# KiCad board panel_170725.kicad_pcb
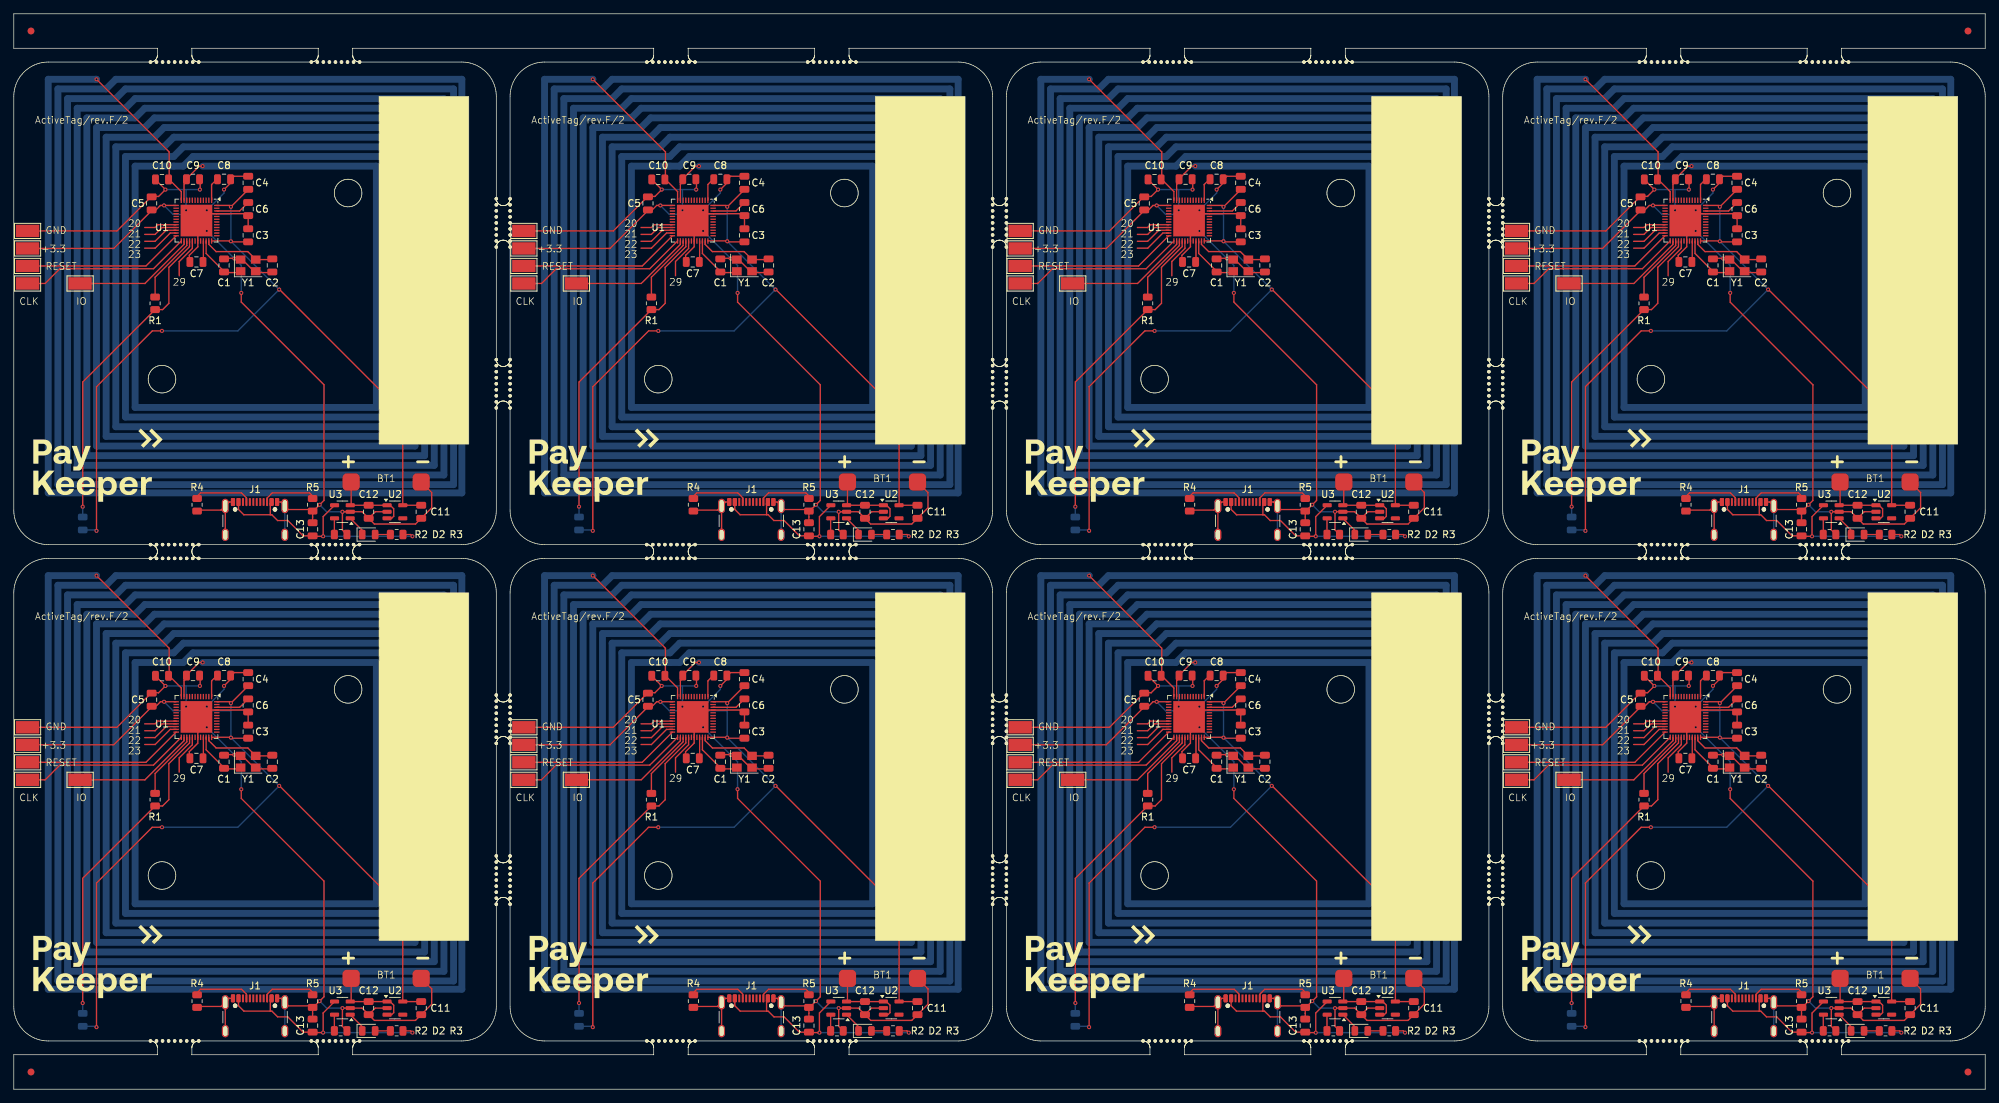
[diagram p0: board, top side]
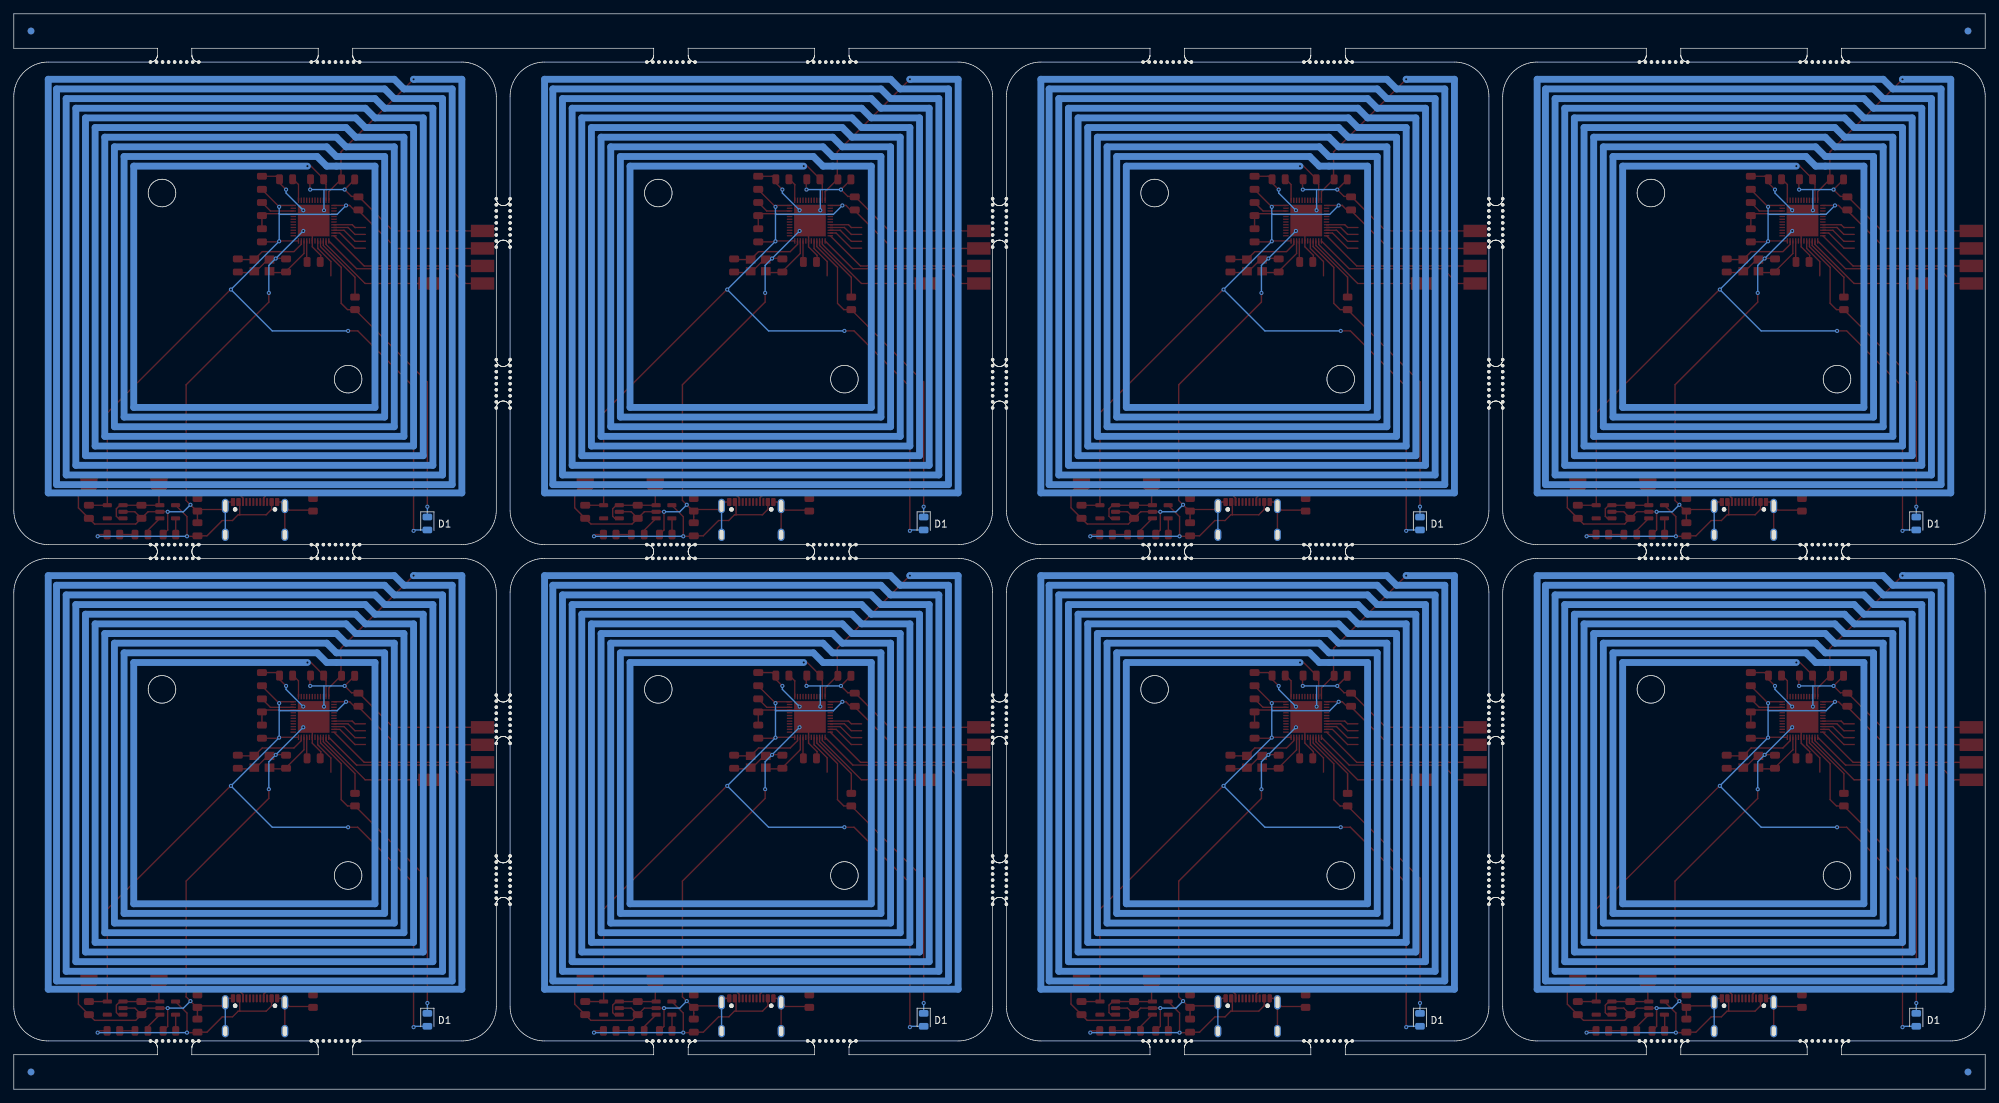
[diagram p1: board, bottom side, seen from below]

Outline 286 x 156 mm; copper layers: Top, Bottom. Coordinates in mm from the lower left corner of the outline.

## Placement (name value [footprint] x y rotation side)
BT1  Li-Pol  [li-pol]  126.02 88.08 0 top
BT1#2  Li-Pol  [li-pol]  198.02 16.08 0 top
BT1#3  Li-Pol  [li-pol]  198.02 88.08 0 top
BT1#4  Li-Pol  [li-pol]  54.02 88.08 0 top
BT1#5  Li-Pol  [li-pol]  126.02 16.08 0 top
BT1#6  Li-Pol  [li-pol]  270.02 16.08 0 top
BT1#7  Li-Pol  [li-pol]  270.02 88.08 0 top
BT1#8  Li-Pol  [li-pol]  54.02 16.08 0 top
C1  16p  [C_0805_2012Metric]  246.5 47.5 90 top
C1#2  16p  [C_0805_2012Metric]  102.5 47.5 90 top
C1#3  16p  [C_0805_2012Metric]  102.5 119.5 90 top
C1#4  16p  [C_0805_2012Metric]  174.5 47.5 90 top
C1#5  16p  [C_0805_2012Metric]  174.5 119.5 90 top
C1#6  16p  [C_0805_2012Metric]  30.5 47.5 90 top
C1#7  16p  [C_0805_2012Metric]  246.5 119.5 90 top
C1#8  16p  [C_0805_2012Metric]  30.5 119.5 90 top
C2  16p  [C_0805_2012Metric]  109.5 47.5 270 top
C2#2  16p  [C_0805_2012Metric]  181.5 47.5 270 top
C2#3  16p  [C_0805_2012Metric]  253.5 119.5 270 top
C2#4  16p  [C_0805_2012Metric]  37.5 119.5 270 top
C2#5  16p  [C_0805_2012Metric]  37.5 47.5 270 top
C2#6  16p  [C_0805_2012Metric]  109.5 119.5 270 top
C2#7  16p  [C_0805_2012Metric]  181.5 119.5 270 top
C2#8  16p  [C_0805_2012Metric]  253.5 47.5 270 top
C3  100n  [C_0805_2012Metric]  106 123.87 90 top
C3#2  100n  [C_0805_2012Metric]  250 51.87 90 top
C3#3  100n  [C_0805_2012Metric]  178 51.87 90 top
C3#4  100n  [C_0805_2012Metric]  178 123.87 90 top
C3#5  100n  [C_0805_2012Metric]  34 51.87 90 top
C3#6  100n  [C_0805_2012Metric]  250 123.87 90 top
C3#7  100n  [C_0805_2012Metric]  34 123.87 90 top
C3#8  100n  [C_0805_2012Metric]  106 51.87 90 top
C4  4.7u  [C_0805_2012Metric]  250 131.49 90 top
C4#2  4.7u  [C_0805_2012Metric]  250 59.49 90 top
C4#3  4.7u  [C_0805_2012Metric]  106 59.49 90 top
C4#4  4.7u  [C_0805_2012Metric]  178 59.49 90 top
C4#5  4.7u  [C_0805_2012Metric]  106 131.49 90 top
C4#6  4.7u  [C_0805_2012Metric]  34 131.49 90 top
C4#7  4.7u  [C_0805_2012Metric]  34 59.49 90 top
C4#8  4.7u  [C_0805_2012Metric]  178 131.49 90 top
C5  100n  [C_0805_2012Metric]  20 56.5 90 top
C5#2  100n  [C_0805_2012Metric]  164 56.5 90 top
C5#3  100n  [C_0805_2012Metric]  92 56.5 90 top
C5#4  100n  [C_0805_2012Metric]  20 128.5 90 top
C5#5  100n  [C_0805_2012Metric]  92 128.5 90 top
C5#6  100n  [C_0805_2012Metric]  164 128.5 90 top
C5#7  100n  [C_0805_2012Metric]  236 56.5 90 top
C5#8  100n  [C_0805_2012Metric]  236 128.5 90 top
C6  1u  [C_0805_2012Metric]  178 55.68 270 top
C6#2  1u  [C_0805_2012Metric]  106 127.68 270 top
C6#3  1u  [C_0805_2012Metric]  178 127.68 270 top
C6#4  1u  [C_0805_2012Metric]  250 55.68 270 top
C6#5  1u  [C_0805_2012Metric]  250 127.68 270 top
C6#6  1u  [C_0805_2012Metric]  34 127.68 270 top
C6#7  1u  [C_0805_2012Metric]  106 55.68 270 top
C6#8  1u  [C_0805_2012Metric]  34 55.68 270 top
C7  100p  [C_0805_2012Metric]  98.5 120 180 top
C7#2  100p  [C_0805_2012Metric]  242.5 120 180 top
C7#3  100p  [C_0805_2012Metric]  170.5 120 180 top
C7#4  100p  [C_0805_2012Metric]  26.5 120 180 top
C7#5  100p  [C_0805_2012Metric]  26.5 48 180 top
C7#6  100p  [C_0805_2012Metric]  170.5 48 180 top
C7#7  100p  [C_0805_2012Metric]  242.5 48 180 top
C7#8  100p  [C_0805_2012Metric]  98.5 48 180 top
C8  100n  [C_0805_2012Metric]  246.5 60 0 top
C8#2  100n  [C_0805_2012Metric]  102.5 132 0 top
C8#3  100n  [C_0805_2012Metric]  174.5 60 0 top
C8#4  100n  [C_0805_2012Metric]  30.5 60 0 top
C8#5  100n  [C_0805_2012Metric]  174.5 132 0 top
C8#6  100n  [C_0805_2012Metric]  30.5 132 0 top
C8#7  100n  [C_0805_2012Metric]  102.5 60 0 top
C8#8  100n  [C_0805_2012Metric]  246.5 132 0 top
C9  TBD  [C_0805_2012Metric]  170 132 180 top
C9#2  TBD  [C_0805_2012Metric]  242 132 180 top
C9#3  TBD  [C_0805_2012Metric]  26 132 180 top
C9#4  TBD  [C_0805_2012Metric]  242 60 180 top
C9#5  TBD  [C_0805_2012Metric]  170 60 180 top
C9#6  TBD  [C_0805_2012Metric]  26 60 180 top
C9#7  TBD  [C_0805_2012Metric]  98 132 180 top
C9#8  TBD  [C_0805_2012Metric]  98 60 180 top
C10  TBD  [C_0805_2012Metric]  93.5 59.97 180 top
C10#2  TBD  [C_0805_2012Metric]  237.5 59.97 180 top
C10#3  TBD  [C_0805_2012Metric]  93.5 131.97 180 top
C10#4  TBD  [C_0805_2012Metric]  165.5 59.97 180 top
C10#5  TBD  [C_0805_2012Metric]  21.5 59.97 180 top
C10#6  TBD  [C_0805_2012Metric]  21.5 131.97 180 top
C10#7  TBD  [C_0805_2012Metric]  237.5 131.97 180 top
C10#8  TBD  [C_0805_2012Metric]  165.5 131.97 180 top
C11  100n  [C_0805_2012Metric]  275.1 11.76 270 top
C11#2  100n  [C_0805_2012Metric]  203.1 83.76 270 top
C11#3  100n  [C_0805_2012Metric]  275.1 83.76 270 top
C11#4  100n  [C_0805_2012Metric]  59.1 11.76 270 top
C11#5  100n  [C_0805_2012Metric]  131.1 11.76 270 top
C11#6  100n  [C_0805_2012Metric]  203.1 11.76 270 top
C11#7  100n  [C_0805_2012Metric]  131.1 83.76 270 top
C11#8  100n  [C_0805_2012Metric]  59.1 83.76 270 top
C12  100n  [C_0805_2012Metric]  51.48 83.76 270 top
C12#2  100n  [C_0805_2012Metric]  51.48 11.76 270 top
C12#3  100n  [C_0805_2012Metric]  123.48 11.76 270 top
C12#4  100n  [C_0805_2012Metric]  195.48 11.76 270 top
C12#5  100n  [C_0805_2012Metric]  267.48 11.76 270 top
C12#6  100n  [C_0805_2012Metric]  267.48 83.76 270 top
C12#7  100n  [C_0805_2012Metric]  195.48 83.76 270 top
C12#8  100n  [C_0805_2012Metric]  123.48 83.76 270 top
C13  100n  [C_0805_2012Metric]  115.35 81.22 90 top
C13#2  100n  [C_0805_2012Metric]  43.35 9.22 90 top
C13#3  100n  [C_0805_2012Metric]  187.35 81.22 90 top
C13#4  100n  [C_0805_2012Metric]  259.35 9.22 90 top
C13#5  100n  [C_0805_2012Metric]  43.35 81.22 90 top
C13#6  100n  [C_0805_2012Metric]  115.35 9.22 90 top
C13#7  100n  [C_0805_2012Metric]  259.35 81.22 90 top
C13#8  100n  [C_0805_2012Metric]  187.35 9.22 90 top
D1  ACTIVE  [LED_0805_2012Metric]  226 10.06 270 bottom
D1#2  ACTIVE  [LED_0805_2012Metric]  154 10.06 270 bottom
D1#3  ACTIVE  [LED_0805_2012Metric]  10 82.06 270 bottom
D1#4  ACTIVE  [LED_0805_2012Metric]  226 82.06 270 bottom
D1#5  ACTIVE  [LED_0805_2012Metric]  82 10.06 270 bottom
D1#6  ACTIVE  [LED_0805_2012Metric]  82 82.06 270 bottom
D1#7  ACTIVE  [LED_0805_2012Metric]  10 10.06 270 bottom
D1#8  ACTIVE  [LED_0805_2012Metric]  154 82.06 270 bottom
D2  CHARGE  [LED_0805_2012Metric]  267.48 8.46 0 top
D2#2  CHARGE  [LED_0805_2012Metric]  51.48 80.46 0 top
D2#3  CHARGE  [LED_0805_2012Metric]  51.48 8.46 0 top
D2#4  CHARGE  [LED_0805_2012Metric]  123.48 80.46 0 top
D2#5  CHARGE  [LED_0805_2012Metric]  267.48 80.46 0 top
D2#6  CHARGE  [LED_0805_2012Metric]  195.48 80.46 0 top
D2#7  CHARGE  [LED_0805_2012Metric]  195.48 8.46 0 top
D2#8  CHARGE  [LED_0805_2012Metric]  123.48 8.46 0 top
J1  USB_C_Receptacle_USB2.0_16P  [USB_C_Receptacle_GCT_USB4105-xx-A_16P_TopMnt_Horizontal]  107 81.5 0 top
J1#2  USB_C_Receptacle_USB2.0_16P  [USB_C_Receptacle_GCT_USB4105-xx-A_16P_TopMnt_Horizontal]  107 9.5 0 top
J1#3  USB_C_Receptacle_USB2.0_16P  [USB_C_Receptacle_GCT_USB4105-xx-A_16P_TopMnt_Horizontal]  179 9.5 0 top
J1#4  USB_C_Receptacle_USB2.0_16P  [USB_C_Receptacle_GCT_USB4105-xx-A_16P_TopMnt_Horizontal]  179 81.5 0 top
J1#5  USB_C_Receptacle_USB2.0_16P  [USB_C_Receptacle_GCT_USB4105-xx-A_16P_TopMnt_Horizontal]  251 9.5 0 top
J1#6  USB_C_Receptacle_USB2.0_16P  [USB_C_Receptacle_GCT_USB4105-xx-A_16P_TopMnt_Horizontal]  251 81.5 0 top
J1#7  USB_C_Receptacle_USB2.0_16P  [USB_C_Receptacle_GCT_USB4105-xx-A_16P_TopMnt_Horizontal]  35 9.5 0 top
J1#8  USB_C_Receptacle_USB2.0_16P  [USB_C_Receptacle_GCT_USB4105-xx-A_16P_TopMnt_Horizontal]  35 81.5 0 top
KiKit_FID_B_1  -  [Fiducial]  2.5 153.5 0 bottom
KiKit_FID_B_2  -  [Fiducial]  283.5 153.5 0 bottom
KiKit_FID_B_3  -  [Fiducial]  2.5 2.5 0 bottom
KiKit_FID_B_4  -  [Fiducial]  283.5 2.5 0 bottom
KiKit_FID_T_1  -  [Fiducial]  2.5 153.5 0 top
KiKit_FID_T_2  -  [Fiducial]  283.5 153.5 0 top
KiKit_FID_T_3  -  [Fiducial]  2.5 2.5 0 top
KiKit_FID_T_4  -  [Fiducial]  283.5 2.5 0 top
KiKit_MB_1_1  -  [NPTH]  70 129.17 0 top
KiKit_MB_1_2  -  [NPTH]  70 128.29 0 top
KiKit_MB_1_3  -  [NPTH]  70 127.42 0 top
KiKit_MB_1_4  -  [NPTH]  70 126.54 0 top
KiKit_MB_1_5  -  [NPTH]  70 125.67 0 top
KiKit_MB_1_6  -  [NPTH]  70 124.79 0 top
KiKit_MB_1_7  -  [NPTH]  70 123.92 0 top
KiKit_MB_1_8  -  [NPTH]  70 123.04 0 top
KiKit_MB_1_9  -  [NPTH]  70 122.17 0 top
KiKit_MB_2_1  -  [NPTH]  70 105.84 0 top
KiKit_MB_2_2  -  [NPTH]  70 104.96 0 top
KiKit_MB_2_3  -  [NPTH]  70 104.09 0 top
KiKit_MB_2_4  -  [NPTH]  70 103.21 0 top
KiKit_MB_2_5  -  [NPTH]  70 102.34 0 top
KiKit_MB_2_6  -  [NPTH]  70 101.46 0 top
KiKit_MB_2_7  -  [NPTH]  70 100.58 0 top
KiKit_MB_2_8  -  [NPTH]  70 99.71 0 top
KiKit_MB_2_9  -  [NPTH]  70 98.83 0 top
KiKit_MB_3_1  -  [NPTH]  19.83 149 0 top
KiKit_MB_3_2  -  [NPTH]  20.71 149 0 top
KiKit_MB_3_3  -  [NPTH]  21.58 149 0 top
KiKit_MB_3_4  -  [NPTH]  22.46 149 0 top
KiKit_MB_3_5  -  [NPTH]  23.33 149 0 top
KiKit_MB_3_6  -  [NPTH]  24.21 149 0 top
KiKit_MB_3_7  -  [NPTH]  25.08 149 0 top
KiKit_MB_3_8  -  [NPTH]  25.96 149 0 top
KiKit_MB_3_9  -  [NPTH]  26.83 149 0 top
KiKit_MB_4_1  -  [NPTH]  43.17 149 0 top
KiKit_MB_4_2  -  [NPTH]  44.04 149 0 top
KiKit_MB_4_3  -  [NPTH]  44.92 149 0 top
KiKit_MB_4_4  -  [NPTH]  45.79 149 0 top
KiKit_MB_4_5  -  [NPTH]  46.67 149 0 top
KiKit_MB_4_6  -  [NPTH]  47.54 149 0 top
KiKit_MB_4_7  -  [NPTH]  48.42 149 0 top
KiKit_MB_4_8  -  [NPTH]  49.29 149 0 top
KiKit_MB_4_9  -  [NPTH]  50.17 149 0 top
KiKit_MB_5_1  -  [NPTH]  26.83 79 0 top
KiKit_MB_5_2  -  [NPTH]  25.96 79 0 top
KiKit_MB_5_3  -  [NPTH]  25.08 79 0 top
KiKit_MB_5_4  -  [NPTH]  24.21 79 0 top
KiKit_MB_5_5  -  [NPTH]  23.33 79 0 top
KiKit_MB_5_6  -  [NPTH]  22.46 79 0 top
KiKit_MB_5_7  -  [NPTH]  21.58 79 0 top
KiKit_MB_5_8  -  [NPTH]  20.71 79 0 top
KiKit_MB_5_9  -  [NPTH]  19.83 79 0 top
KiKit_MB_6_1  -  [NPTH]  50.17 79 0 top
KiKit_MB_6_2  -  [NPTH]  49.29 79 0 top
KiKit_MB_6_3  -  [NPTH]  48.42 79 0 top
KiKit_MB_6_4  -  [NPTH]  47.54 79 0 top
KiKit_MB_6_5  -  [NPTH]  46.67 79 0 top
KiKit_MB_6_6  -  [NPTH]  45.79 79 0 top
KiKit_MB_6_7  -  [NPTH]  44.92 79 0 top
KiKit_MB_6_8  -  [NPTH]  44.04 79 0 top
KiKit_MB_6_9  -  [NPTH]  43.17 79 0 top
KiKit_MB_7_1  -  [NPTH]  72 122.17 0 top
KiKit_MB_7_2  -  [NPTH]  72 123.04 0 top
KiKit_MB_7_3  -  [NPTH]  72 123.92 0 top
KiKit_MB_7_4  -  [NPTH]  72 124.79 0 top
KiKit_MB_7_5  -  [NPTH]  72 125.67 0 top
KiKit_MB_7_6  -  [NPTH]  72 126.54 0 top
KiKit_MB_7_7  -  [NPTH]  72 127.42 0 top
KiKit_MB_7_8  -  [NPTH]  72 128.29 0 top
KiKit_MB_7_9  -  [NPTH]  72 129.17 0 top
KiKit_MB_8_1  -  [NPTH]  72 98.83 0 top
KiKit_MB_8_2  -  [NPTH]  72 99.71 0 top
KiKit_MB_8_3  -  [NPTH]  72 100.58 0 top
KiKit_MB_8_4  -  [NPTH]  72 101.46 0 top
KiKit_MB_8_5  -  [NPTH]  72 102.34 0 top
KiKit_MB_8_6  -  [NPTH]  72 103.21 0 top
KiKit_MB_8_7  -  [NPTH]  72 104.09 0 top
KiKit_MB_8_8  -  [NPTH]  72 104.96 0 top
KiKit_MB_8_9  -  [NPTH]  72 105.84 0 top
KiKit_MB_9_1  -  [NPTH]  142 129.17 0 top
KiKit_MB_9_2  -  [NPTH]  142 128.29 0 top
KiKit_MB_9_3  -  [NPTH]  142 127.42 0 top
KiKit_MB_9_4  -  [NPTH]  142 126.54 0 top
KiKit_MB_9_5  -  [NPTH]  142 125.67 0 top
KiKit_MB_9_6  -  [NPTH]  142 124.79 0 top
KiKit_MB_9_7  -  [NPTH]  142 123.92 0 top
KiKit_MB_9_8  -  [NPTH]  142 123.04 0 top
KiKit_MB_9_9  -  [NPTH]  142 122.17 0 top
KiKit_MB_10_1  -  [NPTH]  142 105.84 0 top
KiKit_MB_10_2  -  [NPTH]  142 104.96 0 top
KiKit_MB_10_3  -  [NPTH]  142 104.09 0 top
KiKit_MB_10_4  -  [NPTH]  142 103.21 0 top
KiKit_MB_10_5  -  [NPTH]  142 102.34 0 top
KiKit_MB_10_6  -  [NPTH]  142 101.46 0 top
KiKit_MB_10_7  -  [NPTH]  142 100.58 0 top
KiKit_MB_10_8  -  [NPTH]  142 99.71 0 top
KiKit_MB_10_9  -  [NPTH]  142 98.83 0 top
KiKit_MB_11_1  -  [NPTH]  91.83 149 0 top
KiKit_MB_11_2  -  [NPTH]  92.71 149 0 top
KiKit_MB_11_3  -  [NPTH]  93.58 149 0 top
KiKit_MB_11_4  -  [NPTH]  94.46 149 0 top
KiKit_MB_11_5  -  [NPTH]  95.33 149 0 top
KiKit_MB_11_6  -  [NPTH]  96.21 149 0 top
KiKit_MB_11_7  -  [NPTH]  97.08 149 0 top
KiKit_MB_11_8  -  [NPTH]  97.96 149 0 top
KiKit_MB_11_9  -  [NPTH]  98.83 149 0 top
KiKit_MB_12_1  -  [NPTH]  115.17 149 0 top
KiKit_MB_12_2  -  [NPTH]  116.04 149 0 top
KiKit_MB_12_3  -  [NPTH]  116.92 149 0 top
KiKit_MB_12_4  -  [NPTH]  117.79 149 0 top
KiKit_MB_12_5  -  [NPTH]  118.67 149 0 top
KiKit_MB_12_6  -  [NPTH]  119.54 149 0 top
KiKit_MB_12_7  -  [NPTH]  120.42 149 0 top
KiKit_MB_12_8  -  [NPTH]  121.29 149 0 top
KiKit_MB_12_9  -  [NPTH]  122.17 149 0 top
KiKit_MB_13_1  -  [NPTH]  98.83 79 0 top
KiKit_MB_13_2  -  [NPTH]  97.96 79 0 top
KiKit_MB_13_3  -  [NPTH]  97.08 79 0 top
KiKit_MB_13_4  -  [NPTH]  96.21 79 0 top
KiKit_MB_13_5  -  [NPTH]  95.33 79 0 top
KiKit_MB_13_6  -  [NPTH]  94.46 79 0 top
KiKit_MB_13_7  -  [NPTH]  93.58 79 0 top
KiKit_MB_13_8  -  [NPTH]  92.71 79 0 top
KiKit_MB_13_9  -  [NPTH]  91.83 79 0 top
KiKit_MB_14_1  -  [NPTH]  122.17 79 0 top
KiKit_MB_14_2  -  [NPTH]  121.29 79 0 top
KiKit_MB_14_3  -  [NPTH]  120.42 79 0 top
KiKit_MB_14_4  -  [NPTH]  119.54 79 0 top
KiKit_MB_14_5  -  [NPTH]  118.67 79 0 top
KiKit_MB_14_6  -  [NPTH]  117.79 79 0 top
KiKit_MB_14_7  -  [NPTH]  116.92 79 0 top
KiKit_MB_14_8  -  [NPTH]  116.04 79 0 top
KiKit_MB_14_9  -  [NPTH]  115.17 79 0 top
KiKit_MB_15_1  -  [NPTH]  144 122.17 0 top
KiKit_MB_15_2  -  [NPTH]  144 123.04 0 top
KiKit_MB_15_3  -  [NPTH]  144 123.92 0 top
KiKit_MB_15_4  -  [NPTH]  144 124.79 0 top
KiKit_MB_15_5  -  [NPTH]  144 125.67 0 top
KiKit_MB_15_6  -  [NPTH]  144 126.54 0 top
KiKit_MB_15_7  -  [NPTH]  144 127.42 0 top
KiKit_MB_15_8  -  [NPTH]  144 128.29 0 top
KiKit_MB_15_9  -  [NPTH]  144 129.17 0 top
KiKit_MB_16_1  -  [NPTH]  144 98.83 0 top
KiKit_MB_16_2  -  [NPTH]  144 99.71 0 top
KiKit_MB_16_3  -  [NPTH]  144 100.58 0 top
KiKit_MB_16_4  -  [NPTH]  144 101.46 0 top
KiKit_MB_16_5  -  [NPTH]  144 102.34 0 top
KiKit_MB_16_6  -  [NPTH]  144 103.21 0 top
KiKit_MB_16_7  -  [NPTH]  144 104.09 0 top
KiKit_MB_16_8  -  [NPTH]  144 104.96 0 top
KiKit_MB_16_9  -  [NPTH]  144 105.84 0 top
KiKit_MB_17_1  -  [NPTH]  214 129.17 0 top
KiKit_MB_17_2  -  [NPTH]  214 128.29 0 top
KiKit_MB_17_3  -  [NPTH]  214 127.42 0 top
KiKit_MB_17_4  -  [NPTH]  214 126.54 0 top
KiKit_MB_17_5  -  [NPTH]  214 125.67 0 top
KiKit_MB_17_6  -  [NPTH]  214 124.79 0 top
KiKit_MB_17_7  -  [NPTH]  214 123.92 0 top
KiKit_MB_17_8  -  [NPTH]  214 123.04 0 top
KiKit_MB_17_9  -  [NPTH]  214 122.17 0 top
KiKit_MB_18_1  -  [NPTH]  214 105.84 0 top
KiKit_MB_18_2  -  [NPTH]  214 104.96 0 top
KiKit_MB_18_3  -  [NPTH]  214 104.09 0 top
KiKit_MB_18_4  -  [NPTH]  214 103.21 0 top
KiKit_MB_18_5  -  [NPTH]  214 102.34 0 top
KiKit_MB_18_6  -  [NPTH]  214 101.46 0 top
KiKit_MB_18_7  -  [NPTH]  214 100.58 0 top
KiKit_MB_18_8  -  [NPTH]  214 99.71 0 top
KiKit_MB_18_9  -  [NPTH]  214 98.83 0 top
KiKit_MB_19_1  -  [NPTH]  163.83 149 0 top
KiKit_MB_19_2  -  [NPTH]  164.71 149 0 top
KiKit_MB_19_3  -  [NPTH]  165.58 149 0 top
KiKit_MB_19_4  -  [NPTH]  166.46 149 0 top
KiKit_MB_19_5  -  [NPTH]  167.33 149 0 top
KiKit_MB_19_6  -  [NPTH]  168.21 149 0 top
KiKit_MB_19_7  -  [NPTH]  169.08 149 0 top
KiKit_MB_19_8  -  [NPTH]  169.96 149 0 top
KiKit_MB_19_9  -  [NPTH]  170.83 149 0 top
KiKit_MB_20_1  -  [NPTH]  187.17 149 0 top
KiKit_MB_20_2  -  [NPTH]  188.04 149 0 top
KiKit_MB_20_3  -  [NPTH]  188.92 149 0 top
KiKit_MB_20_4  -  [NPTH]  189.79 149 0 top
KiKit_MB_20_5  -  [NPTH]  190.67 149 0 top
KiKit_MB_20_6  -  [NPTH]  191.54 149 0 top
KiKit_MB_20_7  -  [NPTH]  192.42 149 0 top
KiKit_MB_20_8  -  [NPTH]  193.29 149 0 top
KiKit_MB_20_9  -  [NPTH]  194.17 149 0 top
KiKit_MB_21_1  -  [NPTH]  170.83 79 0 top
KiKit_MB_21_2  -  [NPTH]  169.96 79 0 top
KiKit_MB_21_3  -  [NPTH]  169.08 79 0 top
KiKit_MB_21_4  -  [NPTH]  168.21 79 0 top
KiKit_MB_21_5  -  [NPTH]  167.33 79 0 top
KiKit_MB_21_6  -  [NPTH]  166.46 79 0 top
KiKit_MB_21_7  -  [NPTH]  165.58 79 0 top
KiKit_MB_21_8  -  [NPTH]  164.71 79 0 top
KiKit_MB_21_9  -  [NPTH]  163.83 79 0 top
KiKit_MB_22_1  -  [NPTH]  194.17 79 0 top
KiKit_MB_22_2  -  [NPTH]  193.29 79 0 top
KiKit_MB_22_3  -  [NPTH]  192.42 79 0 top
KiKit_MB_22_4  -  [NPTH]  191.54 79 0 top
KiKit_MB_22_5  -  [NPTH]  190.67 79 0 top
KiKit_MB_22_6  -  [NPTH]  189.79 79 0 top
KiKit_MB_22_7  -  [NPTH]  188.92 79 0 top
KiKit_MB_22_8  -  [NPTH]  188.04 79 0 top
KiKit_MB_22_9  -  [NPTH]  187.17 79 0 top
KiKit_MB_23_1  -  [NPTH]  216 122.17 0 top
KiKit_MB_23_2  -  [NPTH]  216 123.04 0 top
KiKit_MB_23_3  -  [NPTH]  216 123.92 0 top
KiKit_MB_23_4  -  [NPTH]  216 124.79 0 top
KiKit_MB_23_5  -  [NPTH]  216 125.67 0 top
KiKit_MB_23_6  -  [NPTH]  216 126.54 0 top
KiKit_MB_23_7  -  [NPTH]  216 127.42 0 top
KiKit_MB_23_8  -  [NPTH]  216 128.29 0 top
KiKit_MB_23_9  -  [NPTH]  216 129.17 0 top
KiKit_MB_24_1  -  [NPTH]  216 98.83 0 top
KiKit_MB_24_2  -  [NPTH]  216 99.71 0 top
KiKit_MB_24_3  -  [NPTH]  216 100.58 0 top
KiKit_MB_24_4  -  [NPTH]  216 101.46 0 top
KiKit_MB_24_5  -  [NPTH]  216 102.34 0 top
KiKit_MB_24_6  -  [NPTH]  216 103.21 0 top
KiKit_MB_24_7  -  [NPTH]  216 104.09 0 top
KiKit_MB_24_8  -  [NPTH]  216 104.96 0 top
KiKit_MB_24_9  -  [NPTH]  216 105.84 0 top
KiKit_MB_25_1  -  [NPTH]  235.83 149 0 top
KiKit_MB_25_2  -  [NPTH]  236.71 149 0 top
KiKit_MB_25_3  -  [NPTH]  237.58 149 0 top
KiKit_MB_25_4  -  [NPTH]  238.46 149 0 top
KiKit_MB_25_5  -  [NPTH]  239.33 149 0 top
KiKit_MB_25_6  -  [NPTH]  240.21 149 0 top
KiKit_MB_25_7  -  [NPTH]  241.08 149 0 top
KiKit_MB_25_8  -  [NPTH]  241.96 149 0 top
KiKit_MB_25_9  -  [NPTH]  242.83 149 0 top
KiKit_MB_26_1  -  [NPTH]  259.17 149 0 top
KiKit_MB_26_2  -  [NPTH]  260.04 149 0 top
KiKit_MB_26_3  -  [NPTH]  260.92 149 0 top
KiKit_MB_26_4  -  [NPTH]  261.79 149 0 top
KiKit_MB_26_5  -  [NPTH]  262.67 149 0 top
KiKit_MB_26_6  -  [NPTH]  263.54 149 0 top
KiKit_MB_26_7  -  [NPTH]  264.42 149 0 top
KiKit_MB_26_8  -  [NPTH]  265.29 149 0 top
KiKit_MB_26_9  -  [NPTH]  266.17 149 0 top
KiKit_MB_27_1  -  [NPTH]  242.83 79 0 top
KiKit_MB_27_2  -  [NPTH]  241.96 79 0 top
KiKit_MB_27_3  -  [NPTH]  241.08 79 0 top
KiKit_MB_27_4  -  [NPTH]  240.21 79 0 top
KiKit_MB_27_5  -  [NPTH]  239.33 79 0 top
KiKit_MB_27_6  -  [NPTH]  238.46 79 0 top
KiKit_MB_27_7  -  [NPTH]  237.58 79 0 top
KiKit_MB_27_8  -  [NPTH]  236.71 79 0 top
KiKit_MB_27_9  -  [NPTH]  235.83 79 0 top
KiKit_MB_28_1  -  [NPTH]  266.17 79 0 top
KiKit_MB_28_2  -  [NPTH]  265.29 79 0 top
KiKit_MB_28_3  -  [NPTH]  264.42 79 0 top
KiKit_MB_28_4  -  [NPTH]  263.54 79 0 top
KiKit_MB_28_5  -  [NPTH]  262.67 79 0 top
KiKit_MB_28_6  -  [NPTH]  261.79 79 0 top
KiKit_MB_28_7  -  [NPTH]  260.92 79 0 top
KiKit_MB_28_8  -  [NPTH]  260.04 79 0 top
KiKit_MB_28_9  -  [NPTH]  259.17 79 0 top
KiKit_MB_29_1  -  [NPTH]  70 57.17 0 top
KiKit_MB_29_2  -  [NPTH]  70 56.29 0 top
KiKit_MB_29_3  -  [NPTH]  70 55.42 0 top
KiKit_MB_29_4  -  [NPTH]  70 54.54 0 top
KiKit_MB_29_5  -  [NPTH]  70 53.67 0 top
KiKit_MB_29_6  -  [NPTH]  70 52.79 0 top
KiKit_MB_29_7  -  [NPTH]  70 51.92 0 top
KiKit_MB_29_8  -  [NPTH]  70 51.04 0 top
KiKit_MB_29_9  -  [NPTH]  70 50.17 0 top
KiKit_MB_30_1  -  [NPTH]  70 33.84 0 top
KiKit_MB_30_2  -  [NPTH]  70 32.96 0 top
KiKit_MB_30_3  -  [NPTH]  70 32.09 0 top
KiKit_MB_30_4  -  [NPTH]  70 31.21 0 top
KiKit_MB_30_5  -  [NPTH]  70 30.34 0 top
KiKit_MB_30_6  -  [NPTH]  70 29.46 0 top
KiKit_MB_30_7  -  [NPTH]  70 28.58 0 top
KiKit_MB_30_8  -  [NPTH]  70 27.71 0 top
KiKit_MB_30_9  -  [NPTH]  70 26.83 0 top
KiKit_MB_31_1  -  [NPTH]  19.83 77 0 top
KiKit_MB_31_2  -  [NPTH]  20.71 77 0 top
KiKit_MB_31_3  -  [NPTH]  21.58 77 0 top
KiKit_MB_31_4  -  [NPTH]  22.46 77 0 top
KiKit_MB_31_5  -  [NPTH]  23.33 77 0 top
KiKit_MB_31_6  -  [NPTH]  24.21 77 0 top
KiKit_MB_31_7  -  [NPTH]  25.08 77 0 top
KiKit_MB_31_8  -  [NPTH]  25.96 77 0 top
KiKit_MB_31_9  -  [NPTH]  26.83 77 0 top
KiKit_MB_32_1  -  [NPTH]  43.17 77 0 top
KiKit_MB_32_2  -  [NPTH]  44.04 77 0 top
KiKit_MB_32_3  -  [NPTH]  44.92 77 0 top
KiKit_MB_32_4  -  [NPTH]  45.79 77 0 top
KiKit_MB_32_5  -  [NPTH]  46.67 77 0 top
KiKit_MB_32_6  -  [NPTH]  47.54 77 0 top
KiKit_MB_32_7  -  [NPTH]  48.42 77 0 top
KiKit_MB_32_8  -  [NPTH]  49.29 77 0 top
KiKit_MB_32_9  -  [NPTH]  50.17 77 0 top
KiKit_MB_33_1  -  [NPTH]  26.83 7 0 top
KiKit_MB_33_2  -  [NPTH]  25.96 7 0 top
KiKit_MB_33_3  -  [NPTH]  25.08 7 0 top
KiKit_MB_33_4  -  [NPTH]  24.21 7 0 top
KiKit_MB_33_5  -  [NPTH]  23.33 7 0 top
KiKit_MB_33_6  -  [NPTH]  22.46 7 0 top
KiKit_MB_33_7  -  [NPTH]  21.58 7 0 top
KiKit_MB_33_8  -  [NPTH]  20.71 7 0 top
KiKit_MB_33_9  -  [NPTH]  19.83 7 0 top
KiKit_MB_34_1  -  [NPTH]  50.17 7 0 top
KiKit_MB_34_2  -  [NPTH]  49.29 7 0 top
KiKit_MB_34_3  -  [NPTH]  48.42 7 0 top
KiKit_MB_34_4  -  [NPTH]  47.54 7 0 top
KiKit_MB_34_5  -  [NPTH]  46.67 7 0 top
KiKit_MB_34_6  -  [NPTH]  45.79 7 0 top
KiKit_MB_34_7  -  [NPTH]  44.92 7 0 top
KiKit_MB_34_8  -  [NPTH]  44.04 7 0 top
KiKit_MB_34_9  -  [NPTH]  43.17 7 0 top
KiKit_MB_35_1  -  [NPTH]  72 50.17 0 top
KiKit_MB_35_2  -  [NPTH]  72 51.04 0 top
KiKit_MB_35_3  -  [NPTH]  72 51.92 0 top
KiKit_MB_35_4  -  [NPTH]  72 52.79 0 top
KiKit_MB_35_5  -  [NPTH]  72 53.67 0 top